# Altium PCB 小车PCB.PcbDoc (part 3 of 4)
Units mm, origin at the board's own origin, x right, y up, seen from the top; angles counter-clockwise.
Board outline 300.13 x 180.13 mm, 2 copper layers (Top Layer, Bottom Layer); 391 components, 380 nets, 1557 pads, 358 vias.
Unrouted connection lines stored in the file: 2.
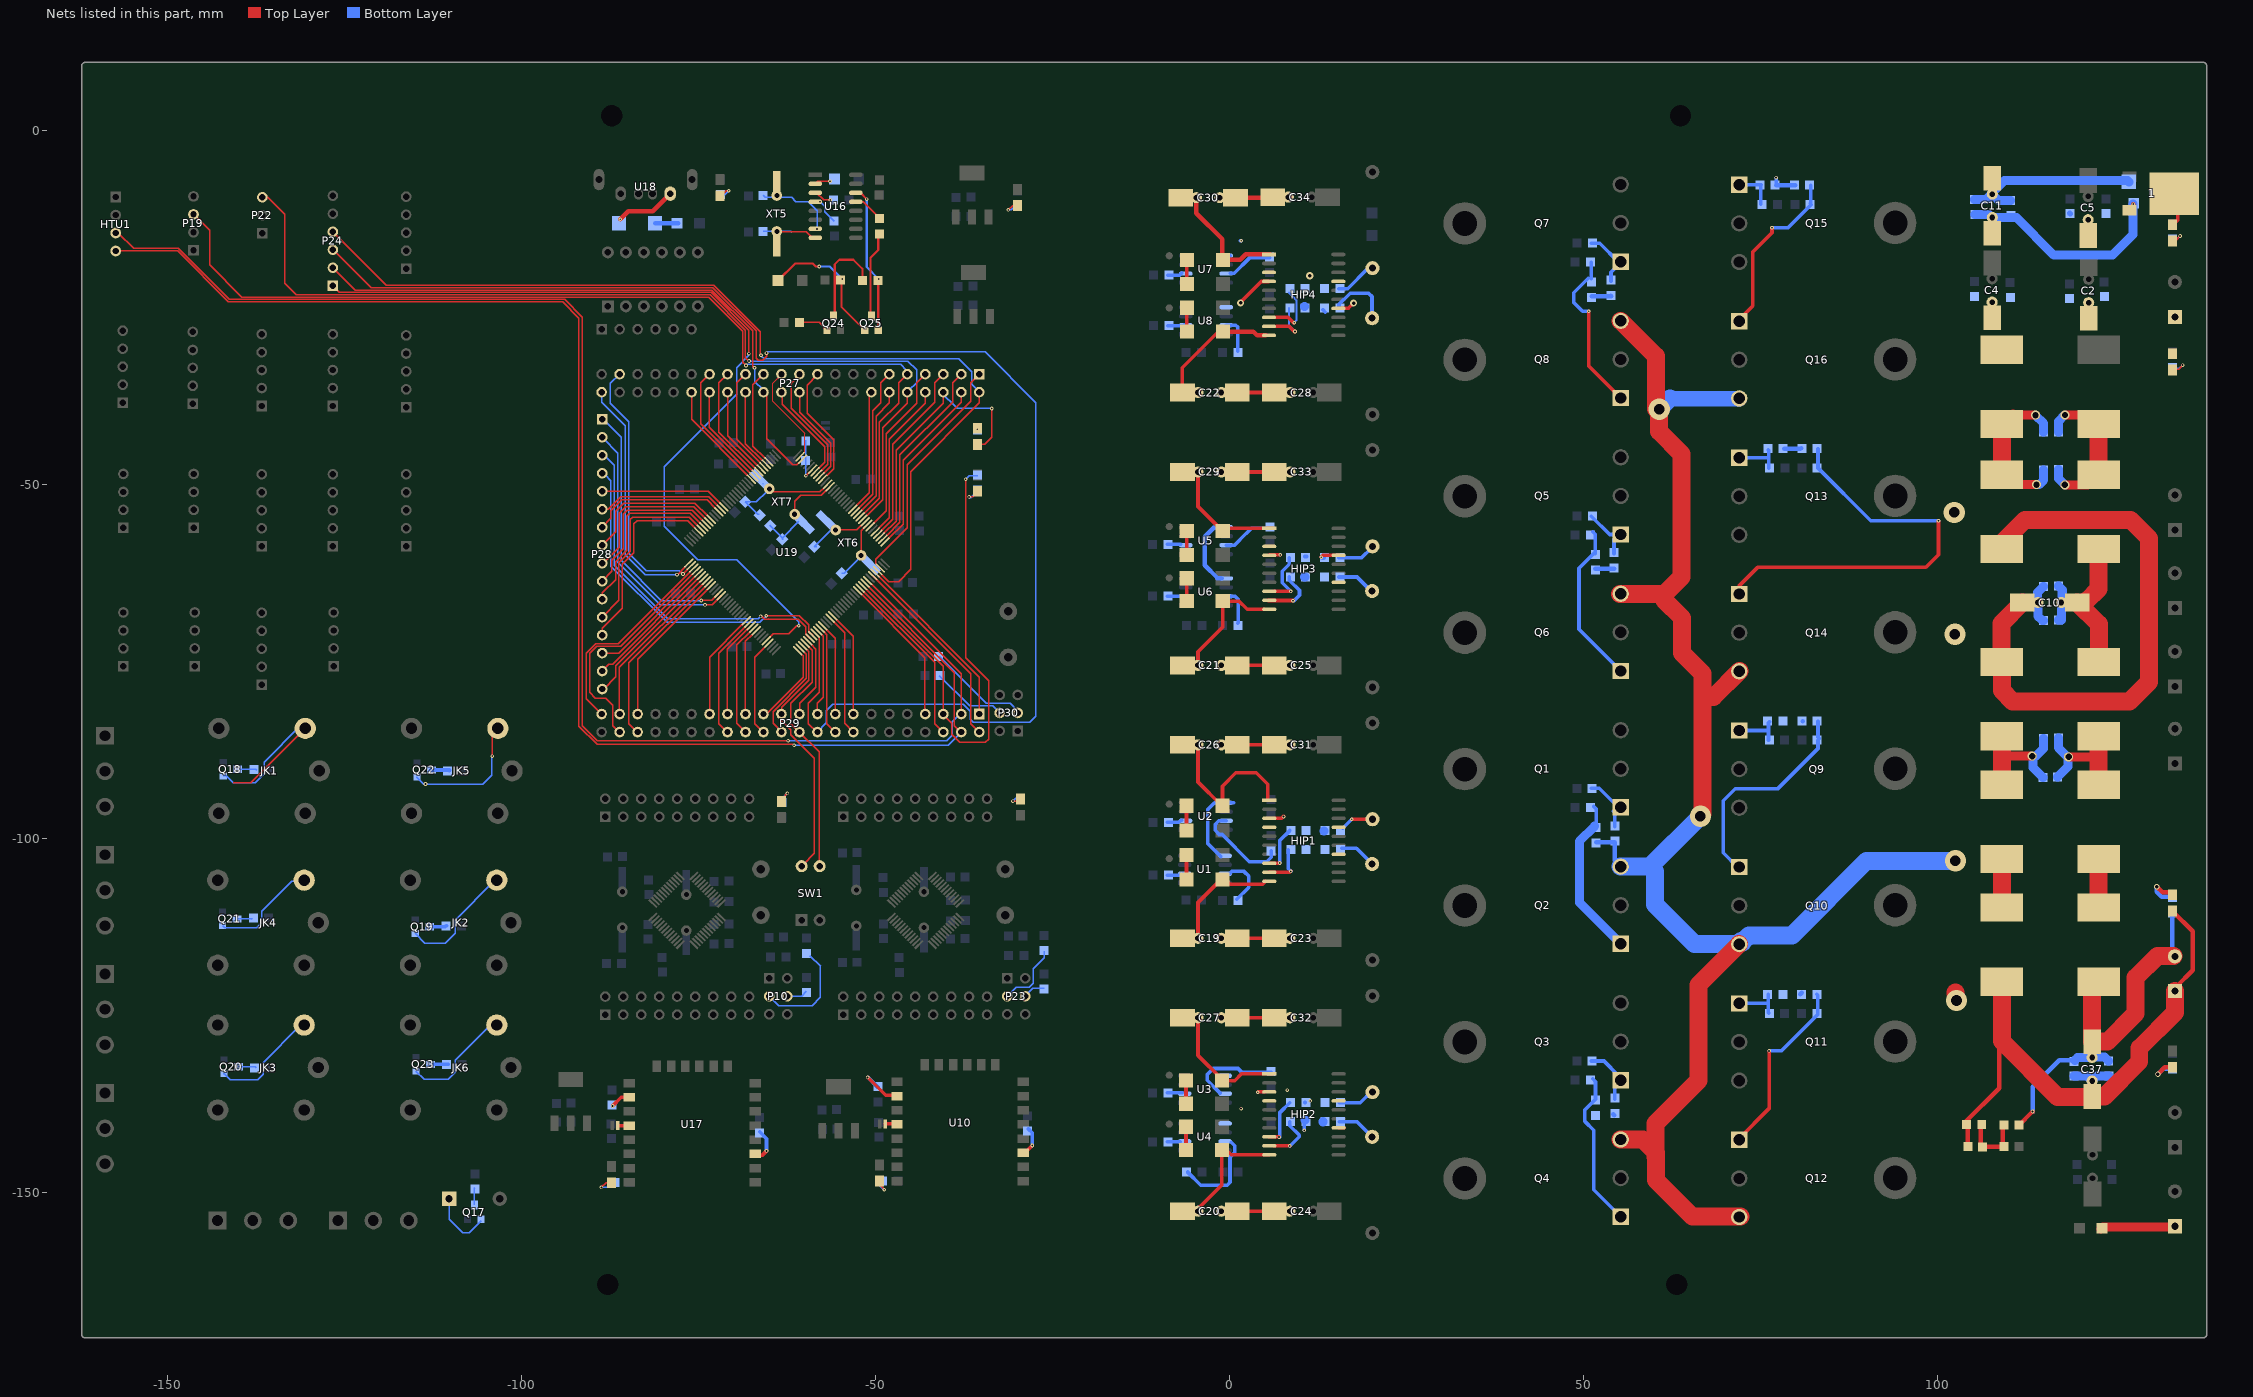
[diagram p3: the nets of this part, all layers, seen from the top]

## Via types
v1: diameter 0.508, hole 0.254, Top Layer to Bottom Layer, 302 vias
v2: diameter 1, hole 0.5, Top Layer to Bottom Layer, 18 vias
v3: diameter 3, hole 1.5, Top Layer to Bottom Layer, 14 vias
v4: diameter 7, hole 5, Top Layer to Bottom Layer, 8 vias
v5: diameter 1.27, hole 0.889, Top Layer to Bottom Layer, 6 vias
v6: diameter 0.635, hole 0.381, Top Layer to Bottom Layer, 5 vias
v7: diameter 0.762, hole 0.508, Top Layer to Bottom Layer, 2 vias
v8: diameter 1.27, hole 0.762, Top Layer to Bottom Layer, 2 vias
v9: diameter 1, hole 0.6, Top Layer to Bottom Layer, 1 vias

## Nets (pads, with @x,y where several pads share a name; then routed paths per layer and width w, separated by ;. In a path a pad name is that pad's centre, name@x,y a point inside that pad or via, vN(x,y) a via of type N, cw(c..) or ccw(c..) an arc to the next point about the centre after c; other vN are vias at no path point) (continued)
GND: 1.2 5V.2 12V.2 +12V.1 C1.1 C2.1 C3.1 C4.1 C5.1 C6.1 C7.1 C8.1 C9.1 D1.2 HIP1.3 HIP1.4 HIP1.14 HIP1.17 HIP2.3 HIP2.4 HIP2.14 HIP2.17 HIP3.3 HIP3.4 HIP3.14 HIP3.17 HIP4.3 HIP4.4 HIP4.14 HIP4.17 L2.1 Q2.3 Q4.3 Q6.3 Q8.3 Q10.3 Q12.3 Q14.3 Q16.3 R28.2 R29.2 R30.2 R31.2 R32.2 R33.2 R34.2 R35.2 R36.1 R37.1 R38.1 R39.1 R40.1 R41.1 R42.1 R43.1 R52.1 R53.2 R54.1 R55.2 R56.1 R57.2 R58.1 R59.2 R60.1 R61.2 R62.1 R63.2 R64.1 R65.2 R66.1 R67.2 U1.5 U2.5 U3.5 U4.5 U5.5 U6.5 U7.5 U8.5 | length 299.7
  Top Layer w0.508: v2@1.613,-24.32 v2(1.6,-24.333) 1.6,-24.206 4.496,-21.311 HIP4.4@5.588,-21.311 ; v1(4.013,-135.814) 4.064,-135.763 HIP2.3@5.029,-135.763 ; HIP1.3@5.643,-97.13 7.366,-97.13 v1@7.645,-96.85 ; HIP3.4@5.643,-59.995 5.719,-59.919 v1(7.188,-59.919) ; v1@12.954,-60.249 13.208,-59.995 HIP3.17@15.443,-59.995 ; HIP4.14@15.392,-25.121 16.764,-25.121 16.916,-24.968 ; HIP2.14@15.443,-140.843 HIP2.14@16.231,-140.843 ; 16.815,-25.095 v2(17.551,-24.359) ; 5V.2@133.02,-13.513 133.909,-12.624 1.2@133.909,-8.909
  Top Layer w0.635: 12V.2@133.223,-31.344 12V.2@133.35,-31.217 ; +12V.1@133.35,-26.492 133.35,-26.264 +12V.1@133.35,-26.256
  Top Layer w0.762: +12V.1@133.172,-26.441 133.35,-26.264 +12V.1@133.452,-26.162
  Top Layer w1.27: L2.1@107.721,-31.369 L2.1@107.747,-31.394 ; 1.2@133.441,-8.909 1.2@133.441,-7.686
  Top Layer w2.54: Q6.3@55.143,-65.43 61.468,-65.43 ; Q4.3@55.27,-142.484 58.385,-142.484 60.173,-144.272 ; Q8.3@55.27,-26.874 60.223,-31.827 60.223,-39.345 v3(60.706,-39.345) 60.706,-42.52 63.856,-45.669 63.856,-63.043 61.468,-65.43 ; 60.173,-144.932 60.173,-144.272 ; v3(66.523,-96.825) 66.827,-96.52 66.827,-79.959 ; Q10.3@72.009,-114.894 66.269,-120.634 66.269,-134.137 60.173,-140.233 60.173,-144.272 ; Q14.3@72.034,-76.327 68.402,-79.959 66.827,-79.959 ; Q12.3@72.161,-153.365 65.38,-153.365 60.249,-148.234 60.249,-144.348 60.173,-144.272 ; v3@102.54,-121.742 v3(102.692,-122.86) ; L2.1@107.442,-30.963 L2.1@107.721,-30.683 ; 61.468,-65.43 61.468,-66.345 63.932,-68.809 63.932,-73.787 66.827,-76.683 66.827,-79.959
  Bottom Layer w0.508: U1.5@-1.219,-102.514 -3.073,-100.66 -3.073,-95.91 -2.083,-94.92 U2.5@-0.47,-94.92 0.584,-94.92 ; U7.5@-0.445,-17.653 U7.5@0.127,-17.653 ; v1@1.549,-15.57 v1(1.676,-15.57) ; v2@1.6,-24.359 v2(1.6,-24.333) ; R35.2@10.363,-25.146 10.592,-24.917 R35.2@10.592,-24.816 ; v1(10.592,-141.199) 10.592,-140.259 R31.2@10.795,-140.056 ; R32.2@10.668,-60.147 R32.2@10.922,-60.147 ; R30.2@10.693,-137.287 R30.2@10.693,-137.211 ; R43.1@13.233,-25.324 R43.1@13.551,-25.641 ; R66.1@77.216,-7.696 v1(77.216,-6.645)
  Bottom Layer w0.635: U6.5@-1.092,-63.195 -1.676,-63.195 -3.48,-61.392 -3.48,-57.379 -2.108,-56.007 U5.5@-0.445,-56.007 ; R37.1@13.157,-60.3 R37.1@13.335,-60.3 ; R59.2@51.156,-23.419 53.899,-23.419 R58.1@53.924,-23.393 ; R57.2@51.689,-61.9 R56.1@54.331,-61.9 ; R53.2@51.791,-100.482 54.458,-100.482 54.458,-103.149 Q2.3@55.245,-103.937 ; R58.1@53.861,-23.33 R58.1@53.873,-23.317 ; R54.1@54.229,-138.938 R54.1@54.331,-139.04 ; Q10.3@71.933,-114.63 72.441,-114.63 Q10.3@72.746,-114.63 ; R66.1@77.216,-7.696 R67.2@79.807,-7.696 R67.2@79.934,-7.696 ; R64.1@78.334,-44.933 80.645,-44.933 R65.2@80.747,-44.831 ; R63.2@80.62,-121.971 R63.2@80.848,-121.742 ; R61.2@80.95,-83.414 R61.2@80.975,-83.439
  Bottom Layer w0.762: C7.1@118.669,-11.684 118.72,-11.735 C7.1@118.745,-11.735
  Bottom Layer w1.27: R35.2@10.592,-24.816 R35.2@10.643,-24.867 ; R33.2@10.643,-63.043 R33.2@10.668,-63.017 ; R31.2@10.693,-139.725 R31.2@10.719,-139.751 ; R40.1@13.233,-139.954 R40.1@13.259,-139.979
  Bottom Layer w2.2: 62.205,-37.846 Q16.3@72.034,-37.846
  Bottom Layer w2.54: Q2.3@55.27,-103.937 59.411,-103.937 ; v3(60.706,-39.345) 62.205,-37.846 ; v3(66.523,-96.825) 59.411,-103.937 ; Q10.3@71.907,-114.884 65.71,-114.884 60.122,-109.296 60.122,-104.648 59.411,-103.937 ; Q10.3@72.238,-114.427 72.441,-114.63 73.406,-113.665 79.451,-113.665 89.992,-103.124 v3(102.54,-103.124)
  other v1: 1.664,-138.112 11.43,-137.033 8.179,-135.509 7.671,-96.876 12.979,-60.249
  other v2: 11.354,-20.498
  other v3: 102.464,-71.145 102.387,-53.924
HTUCL: HTU1.4 P29.4 U19.136 | length 208.6
  Top Layer w0.203: HTU1.4@-157.277,-17.007 -148.525,-17.007 -141.351,-24.181 -94.158,-24.181 -91.846,-26.492 -91.846,-84.099 -89.281,-86.665 -61.62,-86.665 v1(-61.468,-86.817) ; U19.136@-50.927,-64.44 -38.811,-76.556 -38.811,-81.979 -38.825,-81.992 -38.825,-84.035 P29.4@-37.871,-84.988
  Bottom Layer w0.203: v1(-61.468,-86.817) -39.7,-86.817 P29.4@-38.024,-85.141
HTUDA: HTU1.3 P29.3 U19.137 | length 209
  Top Layer w0.203: HTU1.3@-157.277,-14.467 -156.881,-14.467 -154.711,-16.637 -148.428,-16.637 -141.214,-23.851 -93.878,-23.851 -91.364,-26.365 -91.364,-84.049 -89.23,-86.182 v1(-62.306,-86.182) ; U19.137@-50.571,-64.033 -37.871,-76.733 P29.3@-37.871,-82.448
  Bottom Layer w0.203: v1(-62.306,-86.182) -39.903,-86.182 -39.116,-85.395 -39.116,-83.464 P29.3@-38.125,-82.474
MCU: C17.1 C18.1 C37.1 C44.1 K12V.2 K12VOT.1 L10.2 R80.1 | length 81.5
  Top Layer w0.635: R80.1@103.971,-140.386 103.971,-139.996 108.737,-135.23 108.737,-127.559 ; R80.1@104.14,-140.487 104.292,-140.64 C44.1@104.292,-143.459 ; K12V.2@133.172,-110.211 136.042,-113.081 136.042,-118.542 135.89,-118.694 ; K12VOT.1@133.756,-120.879 136.042,-118.593
  Top Layer w2.54: L10.2@109.087,-120.204 109.087,-128.595 116.967,-136.474 C37.1@121.844,-136.474 ; C37.1@121.844,-136.421 123.574,-136.421 128.499,-131.496 128.499,-129.591 133.528,-124.562 K12VOT.1@133.528,-121.531
  Bottom Layer w1.27: C18.1@119.304,-133.528 121.158,-133.528 C37.1@121.818,-134.188 ; C37.1@121.768,-134.264 122.53,-133.502 C17.1@124.231,-133.502
MCU12V: C17.2 C18.2 C37.2 K12VOT.2 L9.2 R3.2 R79.2 | length 54
  Top Layer w0.635: R79.2@111.404,-140.462 111.506,-140.462 v1(113.436,-138.532)
  Top Layer w2.54: L9.2@121.336,-119.99 121.844,-120.498 C37.2@121.844,-128.674 124.005,-128.674 127.991,-124.689 127.991,-119.634 131.064,-116.561 K12VOT.2@133.325,-116.561
  Bottom Layer w0.635: v1(113.436,-138.532) 113.436,-135.052 117.196,-131.293 C18.2@119.405,-131.293 ; C37.2@121.717,-130.531 C37.2@121.869,-130.683 ; R3.2@133.071,-110.261 R3.2@133.172,-110.363 ; R3.2@133.172,-110.338 R3.2@133.172,-110.363 ; K12VOT.2@133.325,-116.561 133.172,-116.408 R3.2@133.172,-110.465 R3.2@133.172,-110.363 ; R3.2@133.35,-110.541 R3.2@133.172,-110.363
  Bottom Layer w1.27: C18.2@119.405,-131.293 119.786,-130.912 C37.2@121.844,-130.912 ; C37.2@122.072,-130.861 123.622,-130.861 C17.2@124.181,-131.42
Net1_3: 1.3 C11.1 C36.2 C38.2 FU1.1 | length 31.3
  Top Layer w0.635: 1.3@127.132,-11.246 127.66,-10.718 v1(127.66,-10.389)
  Bottom Layer w0.762: C11.1@107.315,-11.836 107.755,-12.276 C11.1@107.747,-12.276
  Bottom Layer w1.27: C36.2@105.283,-11.836 C11.1@107.315,-11.836 ; C11.1@107.755,-12.276 111.133,-12.276 116.459,-17.602 124.714,-17.602 127.61,-14.707 FU1.1@127.61,-10.389
Net2_2: 2.2 R113.1 U19.24 XT7.1 | length 15
  Top Layer w0.203: XT7.1@-64.966,-50.594 -64.531,-51.029 -57.81,-51.029 U19.24@-57.277,-50.495
  Bottom Layer w0.203: 2.2@-68.25,-52.451 2.2@-68.174,-52.451 ; R113.1@-66.396,-54.204 -66.573,-54.204 2.2@-68.377,-52.4 -66.777,-52.4 -65.354,-50.978 XT7.1@-65.354,-50.521 ; XT7.1@-65.888,-49.911 XT7.1@-65.811,-49.911
NetBEEP1_1: BEEP1.1 Q17.1 | length 9
  Bottom Layer w0.203: BEEP1.1@-110.185,-150.851 -110.185,-153.721 -108.229,-155.677 -107.366,-155.677 Q17.1@-105.613,-153.924
NetC10_1: C10.1 C12.1 C14.1 L4.2 L6.1 | length 85
  Top Layer w2.54: L6.1@109.042,-74.625 109.042,-69.593 C10.1@111.986,-66.65 ; L6.1@109.093,-75.046 109.093,-79.096 110.617,-80.62 127.127,-80.62 129.87,-77.876 129.87,-57.582 127.254,-54.966 112.37,-54.966 L4.2@109.195,-58.141
  Bottom Layer w1.27: C10.1@114.122,-66.65 114.122,-65.253 C12.1@115.011,-64.364 ; C10.1@114.198,-66.421 114.198,-68.555 114.808,-69.164 C14.1@115.011,-69.164
NetC10_2: C10.2 C12.2 C14.2 L3.2 L5.1 | length 22.8
  Top Layer w2.54: C10.2@119.733,-66.65 122.784,-69.7 L5.1@122.784,-74.574 ; C10.2@121.082,-66.396 122.753,-64.725 L3.2@122.753,-59.092
  Bottom Layer w1.27: C14.2@117.094,-69.113 117.5,-69.113 117.5,-66.675 C10.2@117.602,-66.573 ; C12.2@117.094,-64.313 117.653,-64.872 117.653,-65.126 117.602,-65.176 117.602,-66.396 C10.2@117.424,-66.573
NetC11_2: C11.2 C36.1 C38.1 D1.1 | length 26.1
  Bottom Layer w1.27: C36.1@105.232,-9.754 106.858,-9.754 C11.2@107.772,-8.839 ; C11.2@107.645,-8.865 109.474,-7.036 126.822,-7.036 D1.1@127.025,-7.239 ; C11.2@107.747,-8.966 108.687,-9.906 C38.1@110.312,-9.906
NetC13_1: C13.1 C15.1 L2.2 L4.1 | length 19.5
  Top Layer w0.635: L2.2@109.017,-39.929 L2.2@109.322,-40.234 ; L4.1@110.261,-49.073 L4.1@110.338,-49.149 ; L2.2@110.82,-40.259 L2.2@110.896,-40.183
  Top Layer w1.27: L2.2@110.668,-40.056 110.795,-40.183 110.896,-40.183 v5(113.843,-40.183) ; L4.1@111.328,-49.886 111.455,-50.013 v5(113.995,-50.013)
  Top Layer w2.54: L4.1@108.737,-48.59 109.087,-48.24 L2.2@109.087,-41.439
  Bottom Layer w1.27: v5(113.843,-40.183) 113.843,-40.208 114.986,-41.351 C15.1@114.986,-42.596 ; v5(113.995,-50.013) 114.351,-50.013 114.986,-49.378 C13.1@114.986,-47.93
NetC13_2: C13.2 C15.2 L1.2 L3.1 | length 19.6
  Top Layer w0.635: L3.1@120.879,-49.479 L3.1@121.183,-49.174 ; L1.2@121.514,-40.157 L1.2@121.742,-39.929
  Top Layer w1.27: v5(117.983,-50.038) 121.183,-50.038 L3.1@121.209,-50.063 ; v5(118.008,-40.157) 121.183,-40.157 L1.2@121.234,-40.208 ; L1.2@121.082,-40.31 L1.2@121.133,-40.259
  Top Layer w2.54: L1.2@122.753,-41.439 122.753,-48.229 L3.1@122.885,-48.362
  Bottom Layer w1.27: C13.2@117.069,-47.879 117.069,-49.124 v5(117.983,-50.038) ; C15.2@117.069,-42.545 117.069,-41.097 v5(118.008,-40.157)
NetC16_1: C16.1 C35.1 L6.2 L8.1 | length 17.9
  Top Layer w1.27: 109.042,-88.544 109.087,-88.499 109.245,-88.341 v5(113.386,-88.341)
  Top Layer w2.54: L6.2@109.087,-85.522 109.087,-88.499 109.087,-91.968 L8.1@109.118,-91.999
  Bottom Layer w1.27: v5@113.487,-88.29 v5@113.487,-88.341 ; C16.1@114.884,-91.338 113.487,-89.941 v5@113.487,-88.341 ; C35.1@114.995,-85.827 114.995,-87.24 113.894,-88.341 v5@113.487,-88.341
NetC16_2: C16.2 C35.2 L5.2 L7.1 | length 18.6
  Top Layer w1.27: v5(118.542,-88.443) 122.403,-88.443 122.479,-88.519
  Top Layer w2.54: L7.1@122.047,-92.812 122.753,-92.106 L5.2@122.753,-85.522
  Bottom Layer w0.635: C16.2@117.221,-91.389 C16.2@117.221,-91.135
  Bottom Layer w1.27: C16.2@116.967,-91.288 118.466,-89.789 v5@118.466,-88.544 ; C35.2@117.078,-85.776 117.078,-87.157 v5@118.466,-88.544 ; v5@118.466,-88.443 v5@118.466,-88.544
NetC19_1: C19.1 D2.2 HIP1.10 | length 16
  Top Layer w0.508: C19.1@-4.42,-114.066 -4.42,-109.017 D2.2@-1.245,-105.842 ; D2.2@-0.965,-105.766 -0.533,-105.766 0.127,-106.426 4.699,-106.426 HIP1.10@5.08,-106.045
NetC19_2: C19.2 C23.1 | length 6.2
  Top Layer w0.508: C19.2@1.118,-114.066 C23.1@6.35,-114.066 6.548,-114.066 C23.1@7.087,-114.605
NetC20_1: C20.1 D3.2 HIP2.10 | length 16.6
  Top Layer w0.508: C20.1@-4.699,-152.527 -1.041,-148.869 D3.2@-1.041,-143.942 ; D3.2@-0.533,-143.84 0.279,-144.653 HIP2.10@5.643,-144.653
NetC20_2: C20.2 C24.1 | length 4.6
  Top Layer w0.508: C20.2@1.118,-152.603 5.563,-152.603 C24.1@5.664,-152.705
NetC21_1: C21.1 D4.2 HIP3.10 | length 16.9
  Top Layer w0.508: C21.1@-4.42,-75.53 -4.42,-73.609 -0.914,-70.104 D4.2@-0.914,-66.7 ; D4.2@-0.928,-66.446 D4.2@-0.584,-66.446 ; D4.2@-0.787,-66.243 D4.2@-0.584,-66.446 ; HIP3.10@4.902,-67.615 2.515,-67.615 1.346,-66.446 D4.2@-0.584,-66.446
NetC21_2: C21.2 C25.1 | length 4.8
  Top Layer w0.508: C21.2@1.118,-75.53 5.928,-75.53 C25.1@5.944,-75.514
NetC22_1: C22.1 D5.2 HIP4.10 | length 17.7
  Top Layer w0.508: C22.1@-6.629,-36.993 -6.629,-33.477 -1.372,-28.219 D5.2@-0.356,-28.219
  Top Layer w0.635: D5.2@-0.356,-28.397 3.404,-28.397 3.937,-28.931 HIP4.10@5.131,-28.931
NetC22_2: C22.2 C28.1 | length 9.5
  Top Layer w0.508: C22.2@-1.118,-36.993 C22.2@1.118,-36.993 C28.1@6.35,-36.993 8.295,-36.993 C28.1@8.331,-36.957
NetC26_1: C26.1 D10.2 HIP1.1 | length 22.7
  Top Layer w0.508: C26.1@-4.42,-86.751 -4.42,-91.999 D10.2@-1.143,-95.275 ; D10.2@-0.965,-95.352 -0.965,-92.583 0.914,-90.703 3.785,-90.703 5.41,-92.329 HIP1.1@5.41,-94.564
NetC26_2: C26.2 C31.1 | length 4.6
  Top Layer w0.508: C26.2@1.118,-86.751 5.553,-86.751 C31.1@5.69,-86.614
NetC27_1: C27.1 D11.2 HIP2.1 | length 17.8
  Top Layer w0.508: C27.1@-4.42,-125.288 -4.42,-130.607 D11.2@-1.041,-133.985 ; D11.2@-1.041,-134.163 0.762,-134.163 1.702,-133.223 HIP2.1@5.643,-133.223 HIP2.1@6.223,-133.223
NetC27_2: C27.2 C32.1 | length 5.6
  Top Layer w0.508: C27.2@1.118,-125.288 5.908,-125.288 C32.1@6.502,-125.882
NetC29_1: C29.1 D12.2 HIP3.1 | length 16.8
  Top Layer w0.508: C29.1@-4.42,-48.214 -4.42,-53.086 D12.2@-0.965,-56.54 ; D12.2@-0.75,-56.185 HIP3.1@5.643,-56.185 HIP3.1@6.274,-56.185
NetC29_2: C29.2 C33.1 | length 6
  Top Layer w0.508: C29.2@1.118,-48.214 C33.1@6.35,-48.214 6.98,-48.214 C33.1@7.087,-48.108
NetC30_1: C30.1 D13.2 HIP4.1 | length 17.2
  Top Layer w0.635: C30.1@-4.648,-9.474 -4.648,-11.684 -0.965,-15.367 D13.2@-0.965,-18.11 ; D13.2@-0.914,-18.263 1.524,-18.263 2.337,-17.45 HIP4.1@5.791,-17.45
NetC30_2: C30.2 C34.1 | length 5.4
  Top Layer w0.635: C30.2@0.889,-9.474 6.299,-9.474 C34.1@6.325,-9.449
NetC44_2: C44.2 R77.1 R79.1 R80.2 | length 9
  Top Layer w0.635: R80.2@106.13,-140.386 106.13,-143.392 C44.2@106.35,-143.612 ; C44.2@106.375,-143.51 109.22,-143.51 R77.1@109.245,-143.535 ; R77.1@109.245,-143.459 109.245,-140.716 R79.1@109.296,-140.665
NetC72_1: C72.1 U16.4 | length 3.5
  Bottom Layer w0.203: v1(-57.785,-10.058) -57.137,-10.706 -57.137,-11.443 C72.1@-55.804,-12.776
NetC73_2: C73.2 U16.7 XT5.1 | length 11.2
  Bottom Layer w0.203: C73.2@-65.837,-9.169 -65.557,-9.449 -61.798,-9.449 -61.214,-10.033 -59.461,-10.033 -58.166,-11.328 -58.166,-13.868 v1(-58.217,-13.919)
NetC75_2: C75.2 U16.8 XT5.2 | length 9.5
  Top Layer w0.203: XT5.2@-64.033,-14.224 -63.957,-14.3 -59.766,-14.3 U16.8@-58.979,-15.088
  Bottom Layer w0.203: C75.2@-65.837,-14.249 XT5.2@-63.906,-14.249 -61.951,-14.249 -61.824,-14.376
NetC92_1: C92.1 C93.1 U19.30 | length 5.7
  Top Layer w0.203: v1(-59.792,-48.743) -59.309,-48.26 U19.30@-59.309,-48.235
  Bottom Layer w0.203: C92.1@-59.842,-43.764 -59.844,-43.766 C93.1@-59.844,-46.584 -59.844,-48.69 v1(-59.792,-48.743)
NetC95_2: C95.2 R113.2 U19.23 XT7.2 | length 13.3
  Top Layer w0.203: XT7.2@-61.374,-54.186 -61.374,-52.382 -60.503,-51.511 -57.607,-51.511 -56.845,-50.749 U19.23@-56.82,-50.749
  Bottom Layer w0.203: R113.2@-64.894,-55.73 R113.2@-64.805,-55.82 -63.119,-57.506 C95.2@-63.094,-57.506 ; C95.2@-62.967,-57.709 C95.2@-63.17,-57.709 -63.17,-57.582 C95.2@-63.094,-57.506 ; XT7.2@-60.782,-55.194 C95.2@-63.094,-57.506
NetD2_1: D2.1 D6.2 | length 3.5
  Top Layer w0.508: D2.1@-6.198,-105.766 -6.045,-105.613 D6.2@-6.045,-102.3
NetD3_1: D3.1 D7.2 | length 3.6
  Top Layer w0.508: D3.1@-6.299,-144.247 -6.121,-144.069 D3.1@-6.121,-143.942 D7.2@-6.121,-140.688
NetD4_1: D4.1 D8.2 | length 3.3
  Top Layer w0.508: D4.1@-6.096,-66.446 -6.008,-66.358 D8.2@-6.008,-63.221
NetD5_1: D5.1 D9.2 | length 3.5
  Top Layer w0.508: D5.1@-6.248,-28.372 -5.994,-28.118 D9.2@-5.994,-25.025
NetD10_1: D10.1 D14.2 | length 3.3
  Top Layer w0.508: D14.2@-6.045,-98.654 D10.1@-6.045,-95.352
NetD11_1: D11.1 D15.2 | length 2.9
  Top Layer w0.508: D11.1@-6.121,-134.163 -6.121,-136.627 D15.2@-5.791,-136.957
NetD12_1: D12.1 D16.2 | length 3.5
  Top Layer w0.508: D12.1@-6.008,-56.54 -6.008,-59.854 D16.2@-5.893,-59.969
NetD13_1: D13.1 D17.2 | length 3.8
  Top Layer w0.508: D17.2@-6.096,-21.971 -5.994,-21.869 D17.2@-5.994,-21.647 D13.1@-5.994,-18.263
NetD18_1: D18.1 R36.2 | length 5.3
  Bottom Layer w0.508: R36.2@15.545,-137.287 R36.2@15.672,-137.287 18.491,-137.287 D18.1@20.142,-135.636
NetD19_1: D19.1 R37.2 | length 5.1
  Bottom Layer w0.508: R37.2@15.494,-60.3 R37.2@15.621,-60.3 18.72,-60.3 D19.1@20.041,-58.979
NetD20_1: D20.1 R38.2 | length 4.7
  Top Layer w0.508: v1(17.278,-97.25) D20.1@20.218,-97.25
  Bottom Layer w0.508: R38.2@16.002,-98.527 v1(17.278,-97.25)
NetD21_1: D21.1 R39.2 | length 5.8
  Bottom Layer w0.508: R39.2@15.494,-22.327 R39.2@15.621,-22.327 16.713,-22.327 19.482,-19.558 D21.1@20.142,-19.558
NetD22_1: D22.1 R40.2 | length 5.3
  Bottom Layer w0.508: R40.2@15.545,-139.954 R40.2@15.672,-139.954 18.034,-139.954 D22.1@20.015,-141.935
NetD23_1: D23.1 R41.2 | length 5.3
  Bottom Layer w0.508: R41.2@15.469,-63.043 R41.2@15.596,-63.043 18.034,-63.043 D23.1@19.939,-64.948
NetD24_1: D24.1 R42.2 | length 5.2
  Bottom Layer w0.508: R42.2@15.875,-101.346 17.947,-101.346 D24.1@20.168,-103.567
NetD25_1: D25.1 R43.2 | length 8.5
  Bottom Layer w0.508: R43.2@15.494,-25.044 15.494,-24.536 17.069,-22.962 19.66,-22.962 20.142,-23.444 D25.1@20.142,-25.933
NetD26_2: D26.2 U16.2 | length 2.2
  Top Layer w0.203: U16.2@-58.458,-7.518 -58.102,-7.163 v1(-56.388,-7.163)
NetD27_2: D27.2 Q25.1 R104.1 | length 19.4
  Top Layer w0.305: D27.2@-63.729,-21.184 -61.341,-18.796 -58.801,-18.796 -58.395,-19.202 v1(-57.912,-19.202) ; R104.1@-54.788,-21.107 -54.788,-24.892 Q25.1@-51.537,-28.143 ; R104.1@-54.661,-21.057 v1(-54.661,-20.955)
  Bottom Layer w0.305: v1(-57.912,-19.202) -56.413,-19.202 v1(-54.661,-20.955)
NetD28_1: D28.1 U18.1 | length 8.6
  Top Layer w0.635: v1(-86.004,-12.522) -84.887,-11.405 -81.434,-11.405 U18.1@-78.944,-8.915
NetD28_2: D28.2 FU4.2 | length 3.3
  Bottom Layer w0.635: D28.2@-81.102,-13.081 FU4.2@-78.003,-13.081 FU4.2@-77.8,-13.081
NetFU3_1: FU3.1 K5VINT.1 | length 10.4
  Top Layer w1.27: FU3.1@123.063,-155.143 123.368,-154.838 K5VINT.1@133.35,-154.838
NetH7_2: H7.2 U10.18 | length 1.5
  Top Layer w0.508: H7.2@-48.59,-140.259 -47.244,-140.259 U10.18@-47.142,-140.36
NetH10_2: H10.2 U17.18 | length 1.2
  Top Layer w0.508: H10.2@-86.36,-140.538 -85.192,-140.538 U17.18@-85.141,-140.487
NetHIP1_8: HIP1.8 R28.1 | length 6.7
  Top Layer w0.508: HIP1.8@5.643,-103.48 7.087,-103.48 v1@7.112,-103.454
  Bottom Layer w0.508: v1@7.137,-103.454 7.137,-100.254 R28.1@8.56,-98.831
  other v1: 7.112,-103.429
NetHIP1_9: HIP1.9 R29.1 | length 6.4
  Top Layer w0.508: HIP1.9@5.643,-104.75 8.534,-104.75 v1(8.661,-104.623) v1@8.687,-104.597
  Bottom Layer w0.508: R29.1@8.331,-101.549 8.331,-104.242 8.712,-104.623 v1(8.661,-104.623)
NetHIP2_8: HIP2.8 R30.1 | length 6.9
  Top Layer w0.508: HIP2.8@5.592,-142.113 HIP2.8@5.643,-142.113 v1@7.036,-142.113
  Bottom Layer w0.508: v1@7.147,-142.174 7.147,-138.674 R30.1@8.534,-137.287
  other v1: 7.036,-142.138
NetHIP2_9: HIP2.9 R31.1 | length 6.8
  Top Layer w0.508: HIP2.9@6.274,-143.383 v1(8.534,-143.383)
  Bottom Layer w0.508: R31.1@8.534,-139.954 8.534,-140.538 9.855,-141.859 9.855,-142.113 v1@8.547,-143.421
NetHIP3_8: HIP3.8 R32.1 | length 8
  Top Layer w0.508: HIP3.8@6.35,-65.075 v1(8.687,-65.075)
  Bottom Layer w0.508: R32.1@8.484,-60.3 8.484,-61.234 7.468,-62.25 7.468,-63.836 8.687,-65.055 v1(8.687,-65.075)
NetHIP3_9: HIP3.9 R33.1 | length 7.8
  Top Layer w0.508: HIP3.9@5.491,-66.37 v1@8.992,-66.37
  Bottom Layer w0.508: R33.1@8.484,-63.043 8.484,-63.5 9.906,-64.922 9.906,-65.634 v1@9.131,-66.408
  other v1: 8.992,-66.396
NetHIP4_8: HIP4.8 R34.1 | length 7.7
  Top Layer w0.508: HIP4.8@6.553,-26.391 8.331,-26.391 9.068,-27.127 v1(9.169,-27.127)
  Bottom Layer w0.305: R34.1@8.433,-22.885 9.474,-23.927 9.474,-26.797 v1@9.169,-27.102
NetHIP4_9: HIP4.9 R35.1 | length 6.6
  Top Layer w0.508: 6.604,-27.661 8.458,-27.661 9.169,-28.372 v1(9.271,-28.372)
  Bottom Layer w0.305: R35.1@8.433,-25.044 8.433,-27.483 v1@9.271,-28.321
NetJK1_2: JK1.2 Q18.1 | length 30
  Top Layer w0.203: -140.691,-92.1 -138.201,-92.1 JK1.2@-130.353,-84.252
  Bottom Layer w0.203: Q18.1@-142.088,-91.139 -141.652,-91.139 -140.691,-92.1 -137.566,-92.1 -136.322,-90.856 -136.322,-89.179 -131.191,-84.049 JK1.2@-130.429,-84.049
NetJK2_2: JK2.2 Q19.1 | length 16.4
  Bottom Layer w0.203: Q19.1@-114.96,-113.389 -113.618,-114.732 -110.693,-114.732 -109.347,-113.386 -109.347,-111.531 JK2.2@-103.784,-105.969
NetJK3_2: JK3.2 Q20.1 | length 16.8
  Bottom Layer w0.203: Q20.1@-141.986,-133.252 Q20.1@-141.986,-133.151 -141.101,-134.036 -137.211,-134.036 -136.449,-133.274 -136.449,-131.623 -131.242,-126.416 JK3.2@-130.81,-126.416 ; JK3.2@-130.81,-127.152 JK3.2@-130.81,-126.416 ; JK3.2@-130.81,-126.263 JK3.2@-130.81,-126.416 ; JK3.2@-130.708,-126.314 JK3.2@-130.81,-126.416